# KiCad board CONEPROJ.kicad_pcb
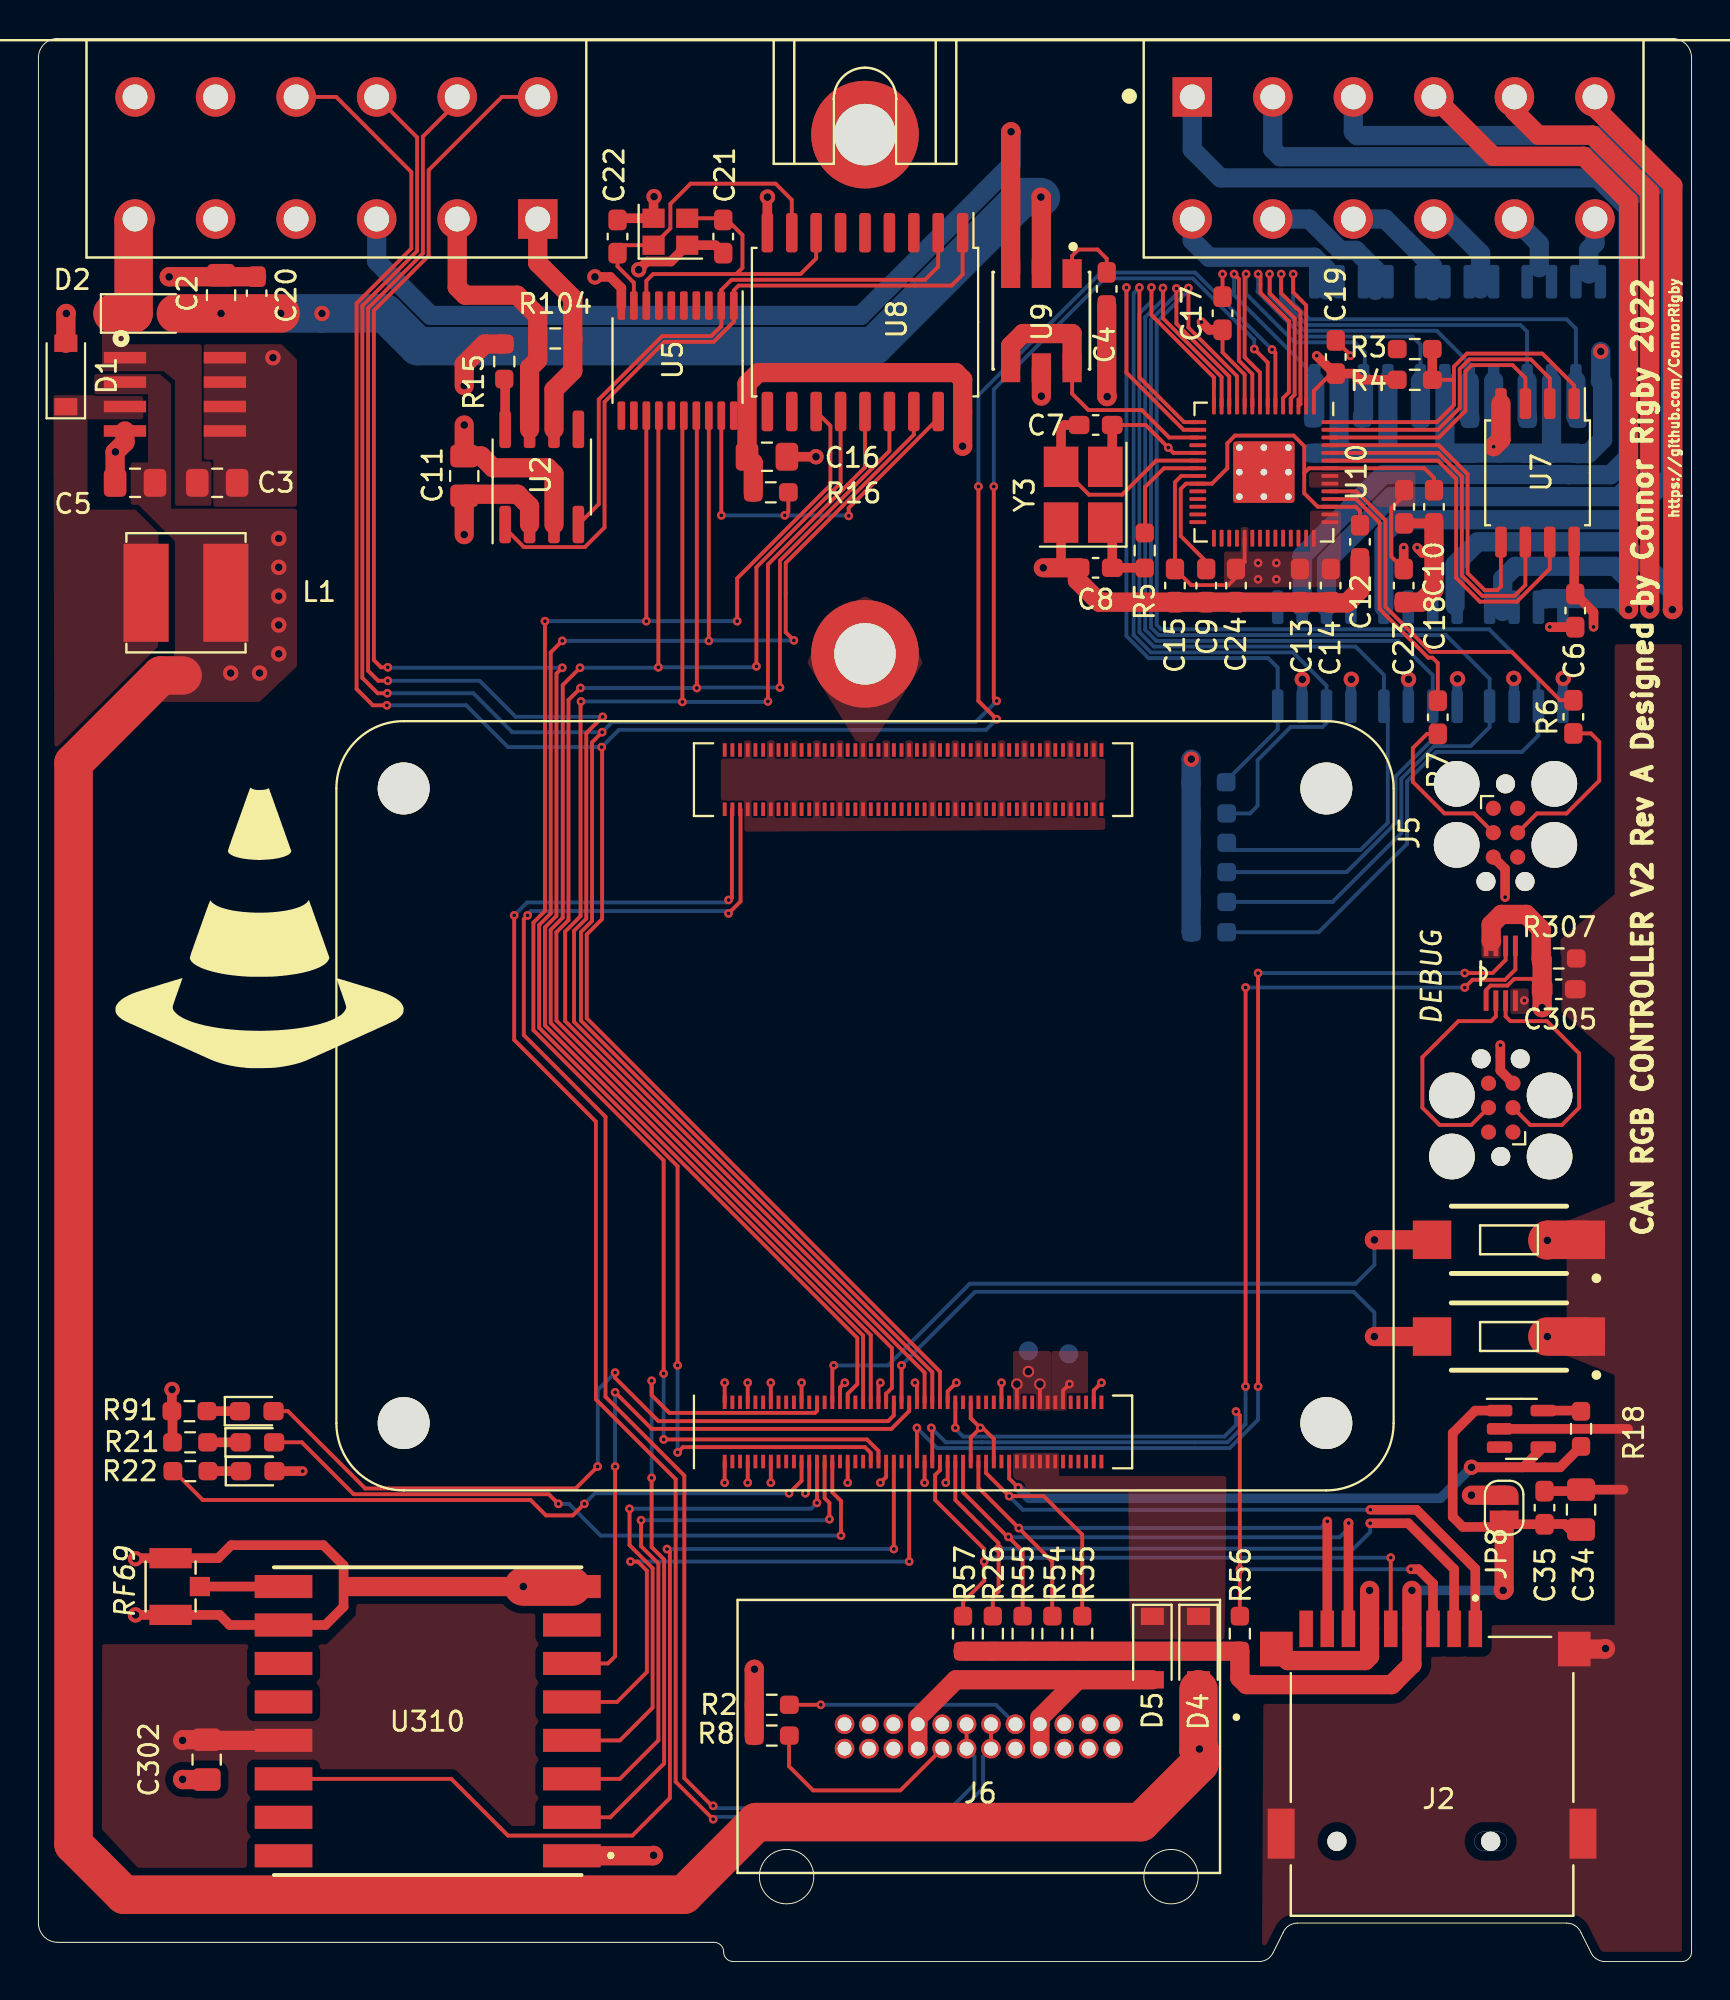
[diagram p0: board, top side]
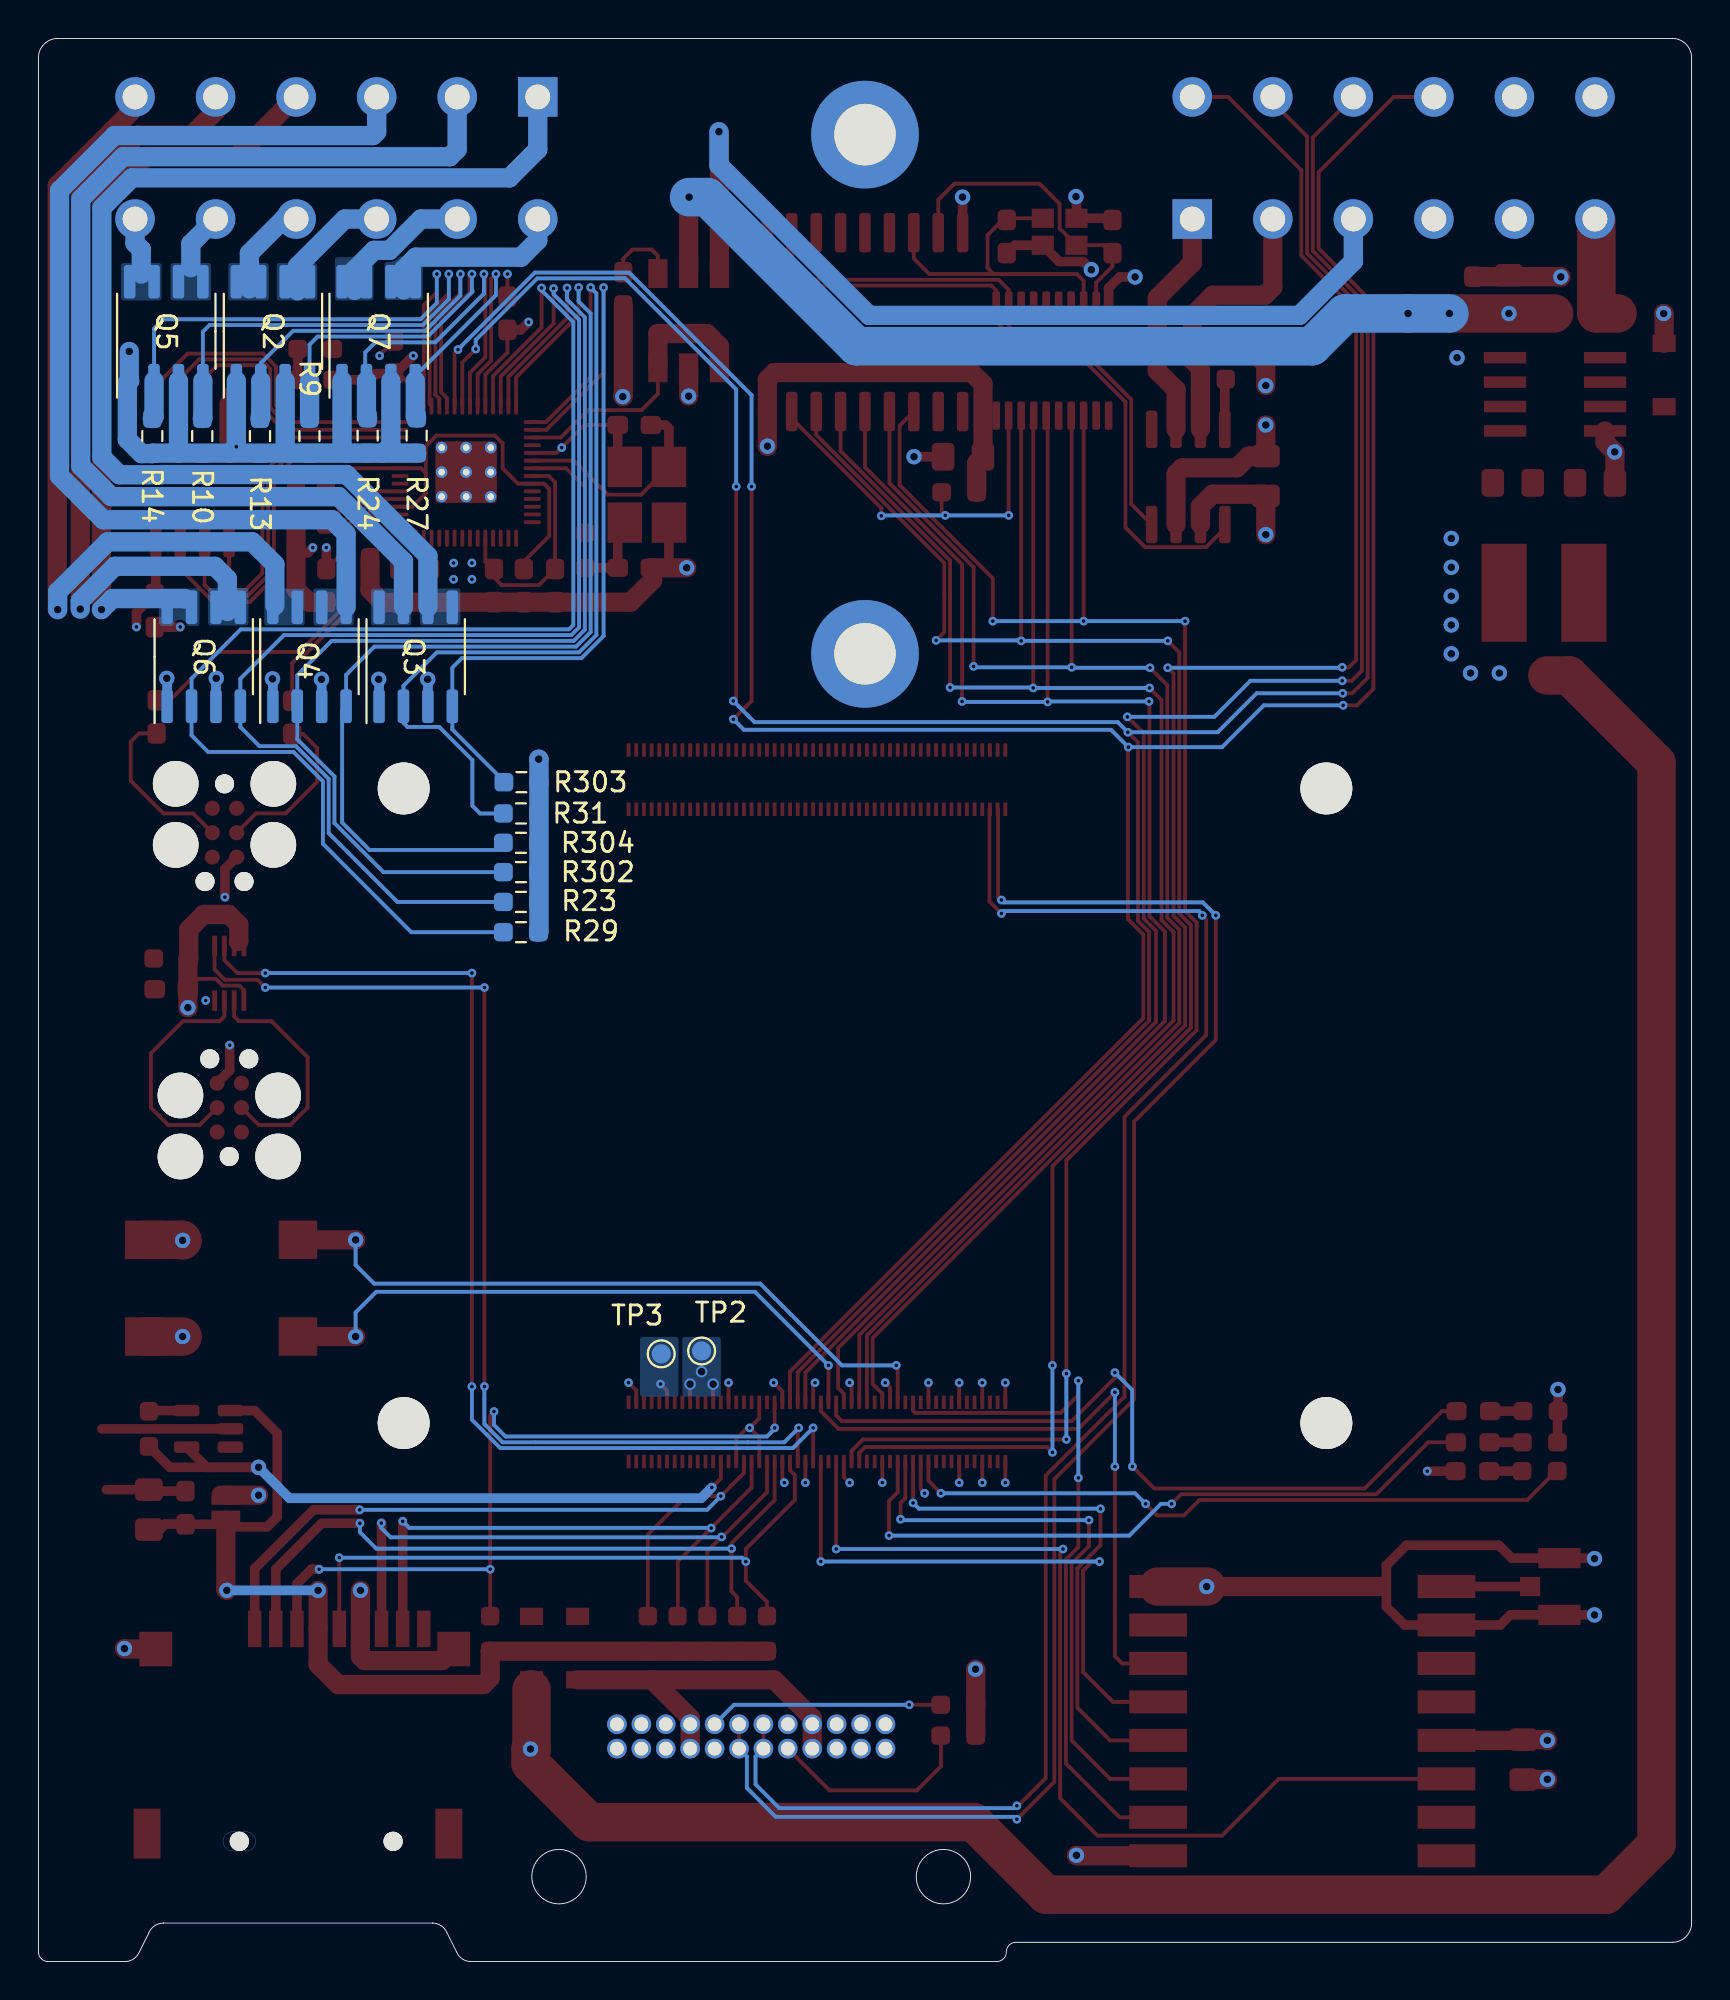
[diagram p1: board, bottom side, seen from below]

Outline 86 x 100 mm; copper layers: Top, In1.Cu (plane), In2.Cu (plane), Bottom. Coordinates in mm from the lower left corner of the outline.
Outline path: circle c38.92,4.41 r1.41 ; circle c58.92,4.41 r1.41 ; 0,99 arc(0.29,99.71) 1,100 85,100 arc(85.71,99.71) 86,99 86,0.5 arc(85.85,0.15) 85.5,0 81.5,0 arc(81.05,0.14) 80.75,0.5 80.25,1.5 arc(79.95,1.86) 79.5,2 65.5,2 arc(65.05,1.86) 64.75,1.5 64.25,0.5 arc(63.95,0.14) 63.5,0 36.15,0 arc(35.79,0.15) 35.65,0.5 arc(35.5,0.85) 35.15,1 1,1 arc(0.29,1.29) 0,2 0,99
Stack: Top 0.035mm / dielectric 0.11mm FR4 er 4.5 / In1.Cu 0.035mm / dielectric 1.2mm FR4 er 4.5 / In2.Cu 0.035mm / dielectric 0.11mm FR4 er 4.5 / Bottom 0.035mm

## Placement (name value [footprint] x y rotation side)
C2  10uF  [C_0805_2012Metric_Pad1.18x1.45mm_HandSolder]  9.5 86.65 90 top
C3  10uF  [C_0805_2012Metric_Pad1.18x1.45mm_HandSolder]  9.3 76.89 0 top
C4  0.1uF  [C_0603_1608Metric_Pad1.08x0.95mm_HandSolder]  55.58 86.97 270 top
C5  10uF  [C_0805_2012Metric_Pad1.18x1.45mm_HandSolder]  5.02 76.89 180 top
C6  1uF  [C_0603_1608Metric_Pad1.08x0.95mm_HandSolder]  79.95 70.25 270 top
C7  10pF  [C_0603_1608Metric_Pad1.08x0.95mm_HandSolder]  55 79.9 0 top
C8  10pF  [C_0603_1608Metric_Pad1.08x0.95mm_HandSolder]  55 72.48 0 top
C9  1uF  [C_0603_1608Metric_Pad1.08x0.95mm_HandSolder]  60.75 71.55 270 top
C10  0.1uF  [C_0603_1608Metric_Pad1.08x0.95mm_HandSolder]  72.6 75.65 270 top
C11  10uF  [C_0805_2012Metric_Pad1.18x1.45mm_HandSolder]  22.15 77.25 270 top
C12  1uF  [C_0603_1608Metric_Pad1.08x0.95mm_HandSolder]  68.75 73.83 270 top
C13  0.1uF  [C_0603_1608Metric_Pad1.08x0.95mm_HandSolder]  65.62 71.55 270 top
C14  0.1uF  [C_0603_1608Metric_Pad1.08x0.95mm_HandSolder]  67.22 71.55 270 top
C15  0.1uF  [C_0603_1608Metric_Pad1.08x0.95mm_HandSolder]  59.12 71.55 270 top
C16  10uF  [C_0805_2012Metric_Pad1.18x1.45mm_HandSolder]  37.9 78.25 0 top
C17  0.1uF  [C_0603_1608Metric_Pad1.08x0.95mm_HandSolder]  61.6 85.71 90 top
C18  0.1uF  [C_0603_1608Metric_Pad1.08x0.95mm_HandSolder]  71.05 75.65 270 top
C19  0.1uF  [C_0603_1608Metric_Pad1.08x0.95mm_HandSolder]  67.49 83.44 90 top
C20  0.1uF  [C_0603_1608Metric_Pad1.08x0.95mm_HandSolder]  11.35 86.75 90 top
C21  22pf  [C_0603_1608Metric_Pad1.08x0.95mm_HandSolder]  35.62 89.7 270 top
C22  22pf  [C_0603_1608Metric_Pad1.08x0.95mm_HandSolder]  30.12 89.7 270 top
C23  0.1uF  [C_0603_1608Metric_Pad1.08x0.95mm_HandSolder]  71.03 71.55 270 top
C24  0.1uF  [C_0603_1608Metric_Pad1.08x0.95mm_HandSolder]  62.3 71.55 270 top
C34  10uF  [C_0805_2012Metric_Pad1.18x1.45mm_HandSolder]  80.25 23.5 90 top
C35  0.1uF  [C_0603_1608Metric_Pad1.08x0.95mm_HandSolder]  78.35 23.6 90 top
C302  10uF  [C_0805_2012Metric_Pad1.18x1.45mm_HandSolder]  8.75 10.5 90 top
C305  0.1uF  [C_0603_1608Metric_Pad1.08x0.95mm_HandSolder]  79.09 50.56 180 top
D1  D_Small  [D_SOD-123]  1.43 82.5 90 top
D2  D_Small  [D_SOD-123]  5.5 85.7 0 top
D4  D_Small  [D_SOD-123]  60.35 16.3 270 top
D5  D_Small  [D_SOD-123]  57.95 16.3 270 top
D301  GRN  [LED_0603_1608Metric_Pad1.05x0.95mm_HandSolder]  11.41 25.5 0 top
D302  RED  [LED_0603_1608Metric_Pad1.05x0.95mm_HandSolder]  11.39 27 0 top
D308  GRN  [LED_0603_1608Metric_Pad1.05x0.95mm_HandSolder]  11.35 28.62 0 top
G***  LOGO  [cone]  11.5 53.75 0 top
H302  MountingHole_Pad  [MountingHole_3.2mm_M3_DIN965_Pad]  43 68 90 top
H304  MountingHole_Pad  [MountingHole_3.2mm_M3_DIN965_Pad]  43 95 90 top
J2  693071020811  [WURTH_693071020811]  72.5 6.25 0 top
J4  DTM1312PA12PBR008  [TE_DTM1312PA12PBR008]  43 95 180 top
J5  TC2030-IDC  [Tag-Connect_TC2030-IDC-FP_2x03_P1.27mm_Vertical]  76.32 58.7 270 top
J6  UC-31PFFP-QS8001  [AMPHENOL_UC-31PFFP-QS8001]  48.92 11.71 0 top
J304  U.FL-R-SMT-1(10)  [HRS_U.FL-R-SMT-1(10)]  6.88 19.5 90 top
J311  TC2030-IDC  [Tag-Connect_TC2030-IDC-FP_2x03_P1.27mm_Vertical]  76.07 44.4 90 top
JP8  SD_PWR  [SolderJumper-2_P1.3mm_Open_RoundedPad1.0x1.5mm]  76.25 23.6 270 top
L1  6.8uH  [L_Bourns_SRN6045TA]  7.68 71.17 0 top
MOD301  SW_SPST  [SW_RS-032G05A3-SMRT]  76.5 37.53 180 top
Module2  ComputeModule4-CM4  [Raspberry-Pi-4-Compute-Module]  67 28 90 top
PAU301  SW_SPST  [SW_RS-032G05A3-SMRT]  76.5 32.5 180 top
Q2  Q_Dual_NMOS_S1G1S2G2D2D2D1D1  [SO-8_3.9x4.9mm_P1.27mm]  73.8 84.78 90 bottom
Q3  Q_Dual_NMOS_S1G1S2G2D2D2D1D1  [SO-8_3.9x4.9mm_P1.27mm]  66.38 67.85 90 bottom
Q4  Q_Dual_NMOS_S1G1S2G2D2D2D1D1  [SO-8_3.9x4.9mm_P1.27mm]  71.9 67.85 90 bottom
Q5  Q_Dual_NMOS_S1G1S2G2D2D2D1D1  [SO-8_3.9x4.9mm_P1.27mm]  79.35 84.78 90 bottom
Q6  Q_Dual_NMOS_S1G1S2G2D2D2D1D1  [SO-8_3.9x4.9mm_P1.27mm]  77.4 67.85 90 bottom
Q7  Q_Dual_NMOS_S1G1S2G2D2D2D1D1  [SO-8_3.9x4.9mm_P1.27mm]  68.3 84.78 90 bottom
R2  R_Small  [R_0603_1608Metric_Pad0.98x0.95mm_HandSolder]  38.15 13.35 180 top
R3  1k  [R_0603_1608Metric_Pad0.98x0.95mm_HandSolder]  71.6 83.85 0 top
R4  10k,DNF  [R_0603_1608Metric_Pad0.98x0.95mm_HandSolder]  71.6 82.25 180 top
R5  1k  [R_0603_1608Metric_Pad0.98x0.95mm_HandSolder]  57.55 73.38 270 top
R6  27.4  [C_0603_1608Metric_Pad1.08x0.95mm_HandSolder]  79.85 64.72 270 top
R7  27.4  [C_0603_1608Metric_Pad1.08x0.95mm_HandSolder]  72.8 64.7 90 top
R8  R_Small  [R_0603_1608Metric_Pad0.98x0.95mm_HandSolder]  38.15 11.75 0 top
R9  100k  [R_0603_1608Metric_Pad0.98x0.95mm_HandSolder]  71.9 79.33 270 bottom
R10  100k  [R_0603_1608Metric_Pad0.98x0.95mm_HandSolder]  77.47 79.33 270 bottom
R13  100k  [R_0603_1608Metric_Pad0.98x0.95mm_HandSolder]  74.47 79.33 270 bottom
R14  100k  [R_0603_1608Metric_Pad0.98x0.95mm_HandSolder]  80.08 79.33 270 bottom
R15  1k  [R_0603_1608Metric_Pad0.98x0.95mm_HandSolder]  24.23 83.2 90 top
R16  10k  [R_0603_1608Metric_Pad0.98x0.95mm_HandSolder]  38.1 76.4 0 top
R18  12K 1%  [R_0603_1608Metric_Pad0.98x0.95mm_HandSolder]  80.25 27.7 90 top
R21  240  [R_0603_1608Metric_Pad0.98x0.95mm_HandSolder]  7.89 27 180 top
R22  240  [R_0603_1608Metric_Pad0.98x0.95mm_HandSolder]  7.91 25.5 180 top
R23  100k  [R_0603_1608Metric_Pad0.98x0.95mm_HandSolder]  60.9 55.1 180 bottom
R24  100k  [R_0603_1608Metric_Pad0.98x0.95mm_HandSolder]  68.88 79.35 270 bottom
R26  10k  [R_0603_1608Metric_Pad0.98x0.95mm_HandSolder]  49.65 17.05 270 top
R27  100k  [R_0603_1608Metric_Pad0.98x0.95mm_HandSolder]  66.33 79.35 270 bottom
R29  100k  [R_0603_1608Metric_Pad0.98x0.95mm_HandSolder]  60.9 53.53 180 bottom
R31  100k  [R_0603_1608Metric_Pad0.98x0.95mm_HandSolder]  60.9 59.7 180 bottom
R35  10k  [R_0603_1608Metric_Pad0.98x0.95mm_HandSolder]  54.3 17.05 270 top
R54  10k  [R_0603_1608Metric_Pad0.98x0.95mm_HandSolder]  52.75 17.05 270 top
R55  10k  [R_0603_1608Metric_Pad0.98x0.95mm_HandSolder]  51.2 17.05 270 top
R56  10k  [R_0603_1608Metric_Pad0.98x0.95mm_HandSolder]  62.5 17.05 270 top
R57  10k  [R_0603_1608Metric_Pad0.98x0.95mm_HandSolder]  48.1 17.05 270 top
R91  240  [R_0603_1608Metric_Pad0.98x0.95mm_HandSolder]  7.86 28.62 180 top
R104  120, DNP  [R_0603_1608Metric_Pad0.98x0.95mm_HandSolder]  26.88 84.4 180 top
R302  100k  [R_0603_1608Metric_Pad0.98x0.95mm_HandSolder]  60.9 56.65 180 bottom
R303  100k  [R_0603_1608Metric_Pad0.98x0.95mm_HandSolder]  60.88 61.33 180 bottom
R304  100k  [R_0603_1608Metric_Pad0.98x0.95mm_HandSolder]  60.9 58.17 180 bottom
R307  10k  [R_0603_1608Metric_Pad0.98x0.95mm_HandSolder]  79.09 52.16 0 top
TP2  3v3  [TestPoint_Pad_D1.0mm]  51.5 31.75 180 bottom
TP3  1v8  [TestPoint_Pad_D1.0mm]  53.6 31.6 180 bottom
U2  SN65HVD230  [SOIC-8_3.9x4.9mm_P1.27mm]  26.19 77.2 90 top
U5  MCP2515-xST  [TSSOP-20_4.4x6.5mm_P0.65mm]  33.25 83.25 270 top
U6  RT9742GGJ5  [SOT-23-5]  77.15 27.7 0 top
U7  W25Q128JVS  [SOIC-8_5.23x5.23mm_P1.27mm]  77.99 77.41 270 top
U8  MCP2515-xSO  [SOIC-18W_7.5x11.6mm_P1.27mm]  43 85.25 270 top
U9  WS2815B  [worldsemi-WS2815B-MFG]  52.17 85.33 270 top
U10  RP2040  [RP2040-QFN-56]  63.75 77.45 270 top
U304  AP1509  [SO08]  7.1 81.5 270 top
U310  RFM69HCW  [XCVR_RFM69HW]  20.25 12.5 180 top
U311  SN74LVC2G126DCUR  [SOP50P310X90-8N]  76.07 51.39 90 top
Y2  16mhz  [Crystal_SMD_2520-4Pin_2.5x2.0mm]  32.88 89.95 0 top
Y3  12mhz  [Crystal_SMD_3225-4Pin_3.2x2.5mm_HandSoldering]  54.35 76.28 90 top

## Library data of the parts
C2 = -: DESCRIPTION: CAP CER 10UF 16V X5R 0805; MPN: CL21A106KOQNNNE; MPN2: TMK212BBJ106KG-T; Manufacturer: Samsung Electro-Mechanics; Manufacturer2: Taiyo Yuden
C3 C5 C34 = -: DESCRIPTION: CAP CER 10UF 16V X5R 0805; MPN: CL21A106KOQNNNE
C4 C10 C13-C15 C17-C19 C23 C24 C35 C305 = -: DESCRIPTION: CAP CER 0.1UF 50V X7R 0603; MPN: C0603C104M5RAC7867
C6 C9 C12 = -: DESCRIPTION: CAP CER 1UF 50V X7R 0603
C7 C8 = -: DESCRIPTION: CAP CER 10PF 50V X7R 0603
C11 C16 C302 = -: DESCRIPTION: CAP CER 10UF 16V X5R 0805; MPN: CL21A106KOQNNNE; MPN2: CC0402KRX5R8BB104; Manufacturer: Murata Electronics; Manufacturer2: Yageo
C20 = -: DESCRIPTION: CAP CER 0.1UF 50V X7R 0603; MPN: C0603C104M5RAC7867; MPN2: CC0402KRX5R8BB104; Manufacturer: Murata Electronics; Manufacturer2: Yageo
C21 C22 = -: DESCRIPTION: CAP CER 22PF 100V X7R 0603; MPN: C0603C220K1RACAUTO
D1 D2 D4 D5 = -: DESCRIPTION: DIODE SCHOTTKY 30V 1.5A SOD123F; MPN: PMEG3015EH,115
D301 D308 = -: DESCRIPTION: LED GREEN DIFFUSED 0603 SMD; MPN: LT Q39E-Q1OO-25-1
D302 = -: DESCRIPTION: LED RED CLEAR 0603 SMD; MPN: IN-S63ATR
J2 = -: DESCRIPTION: SMT MICRO SD CARD CONNECTOR, PUS; MANUFACTURER: WURTH ELEKTRONIK; MAXIMUM_PACKAGE_HEIGHT: 2.05mm; PARTREV: 001.003; STANDARD: Manufacturer Recommendations
J4 = -: EU_RoHS_Compliance: Compliant
J5 J311 = -: MPN2: DNP; Manufacturer: DNP; Manufacturer2: DNP
J6 = -: MANUFACTURER: Amphenol; MAXIMUM_PACKAGE_HEIGHT: 27mm; PARTREV: C; STANDARD: Manufacturer Recommendations
J304 = -: DESCRIPTION: U.FL Series 6 Ghz 50 Ohm Ultra-small SMT Coaxial Cable Receptacle; MANUFACTURER: Hirose; MP: U.FL-R-SMT-1_10_; PACKAGE: None; PRICE: 0.71 USD; STANDARD: Manufacturer Recommendation
L1 = -: DESCRIPTION: FIXED IND 6.3UH 3A 46.8 MOHM SMD; MPN: NRS6045T6R3MMGK
MOD301 PAU301 = -: DESCRIPTION: SWITCH TACTILE SPST-NO 0.05A 12V; MPN: RS-032G05A3-SM RT
Module2 = -: Field4: Hirose; Field5: 2x DF40C-100DS-0.4V
Q2-Q7 = -: DESCRIPTION: MOSFET N-CH 25V 8A 8SO; MPN: SI4778DY-T1-GE3
R3 R5 R15 = -: DESCRIPTION: RES 1K OHM 5% 1/10W 0603; MPN: RMCF0603JT1K00
R4 R16 R26 R35 R54-R57 R307 = -: DESCRIPTION: RES 10K OHM 5% 1/10W 0603; MPN: RMCF0603JT10K0
R6 R7 = -: DESCRIPTION: RES 27.4 OHM 5% 1/10W 0603
R9 R10 R13 R14 R23 R24 R27 R29 R31 R302-R304 = -: DESCRIPTION: RES 100K OHM 5% 1/10W 0603; MPN: RC0603JR-10100KL; MPN2: RMCF0402FT100K; Manufacturer: Yageo; Manufacturer2: Stackpole Electronics Inc
R21 R22 R91 = -: DESCRIPTION: RES 240 OHM 5% 1/10W 0603; MPN: RC0603JR-07240RL
U2 = -: MPN: SN65HVD230D
U5 = -: MPN: MCP2515-I/ST
U6 = -: DESCRIPTION: IC PWR SWTCH N-CHAN 1:1 TSOT23-5
U8 = -: MPN: MCP2515-I/SO
U9 = -: DESCRIPTION: 12mA RGB SMD,5.4x5x1.65mm Light Emitting Diodes (LED) ROHS; automotive: No; category: IC; colour: Blue, Green, Red; device class L1: Optoelectronics; device class L2: LEDs; device class L3: unset; height: 1.7mm; lead free: Unknown; led orientation: Top View; library id: e667c779cab89d9d; manufacturer: worldsemi; max supply voltage: 13.5V; min supply voltage: 9.5V; output current: 2.1mA; package: SMD5050; rohs: Unknown; standoff height: 0.13mm; temperature range high: +85°C; temperature range low: -25°C; wavelength: 470/520/622.5nm
U304 = -: DESCRIPTION: IC REG BUCK 5V 2A 8SOP; MPN: AP1509-50SG-13
U310 = -: DESCRIPTION: RX TXRX MODULE ISM < 1GHZ SMD; MANUFACTURER: SparkFun Electronics; MPN: COM-13909
U311 = -: DESCRIPTION: IC BUFFER NON-INVERT 5.5V 8VSSOP; Manufacturer: ON Semiconductor
Y2 = -: DESCRIPTION: CRYSTAL 16.0000MHZ 22PF SMD; MPN: SXT22422AA27-16.000MT
Y3 = -: DESCRIPTION: CRYSTAL 12.0000MHZ 8PF SMD; MPN: NX3225SA-12.000M-STD-CSR-1

## Footprints (pads in the part's own frame, mm; a bottom-side part is the same pattern mirrored in y, then rotated)
AMPHENOL_UC-31PFFP-QS8001
  round 1.02 hole 0.72: A1(6.985,0.635) A2(5.715,0.635) A3(4.445,0.635) A4(3.175,0.635) A5(1.905,0.635) A6(0.635,0.635) A7(-0.635,0.635) A8(-1.905,0.635) A9(-3.175,0.635) A10(-4.445,0.635) A11(-5.715,0.635) A12(-6.985,0.635) B1(-6.985,-0.635) B2(-5.715,-0.635) B3(-4.445,-0.635) B4(-3.175,-0.635) B5(-1.905,-0.635) B6(-0.635,-0.635) B7(0.635,-0.635) B8(1.905,-0.635) B9(3.175,-0.635) B10(4.445,-0.635) B11(5.715,-0.635) B12(6.985,-0.635)
C_0603_1608Metric_Pad1.08x0.95mm_HandSolder
  rrect 1.075x0.95 smd: 1(-0.863,0) 2(0.863,0)
C_0805_2012Metric_Pad1.18x1.45mm_HandSolder
  rrect 1.175x1.45 smd: 1(-1.038,0) 2(1.038,0)
Crystal_SMD_2520-4Pin_2.5x2.0mm
  rect 1.15x1 smd: 1(-0.875,-0.7) 2(0.875,-0.7) 3(0.875,0.7) 4(-0.875,0.7)
Crystal_SMD_3225-4Pin_3.2x2.5mm_HandSoldering
  rect 2.1x1.8 smd: 1(-1.45,-1.15) 2(1.45,-1.15) 3(1.45,1.15) 4(-1.45,1.15)
D_SOD-123
  rect 0.9x1.2 smd: 1(-1.65,0) 2(1.65,0)
HRS_U.FL-R-SMT-1(10)
  rect 1.05x2.2 smd: 1(-1.475,0) 3(1.475,0)
  rect 1x1.05 smd: 2(0,-1.525)
L_Bourns_SRN6045TA
  rect 2.35x5.1 smd: 1(-2.075,0) 2(2.075,0)
LED_0603_1608Metric_Pad1.05x0.95mm_HandSolder
  rrect 1.05x0.95 smd: 1(-0.875,0) 2(0.875,0)
MountingHole_3.2mm_M3_DIN965_Pad
  round 5.6 hole 3.2: 1(0,0)
R_0603_1608Metric_Pad0.98x0.95mm_HandSolder
  rrect 0.975x0.95 smd: 1(-0.912,0) 2(0.912,0)
Raspberry-Pi-4-Compute-Module
  round 2.7 hole 2.7 unplated: (0,48) (0,0) (33,48) (33,0)
  rect 0.7x0.2 smd: 1(-2,31.3) 2(1.08,31.3) 3(-2,30.9) 4(1.08,30.9) 5(-2,30.5) 6(1.08,30.5) 7(-2,30.1) 8(1.08,30.1) 9(-2,29.7) 10(1.08,29.7) 11(-2,29.3) 12(1.08,29.3) 13(-2,28.9) 14(1.08,28.9) 15(-2,28.5) 16(1.08,28.5) 17(-2,28.1) 18(1.08,28.1) 19(-2,27.7) 20(1.08,27.7) 21(-2,27.3) 22(1.08,27.3) 23(-2,26.9) 24(1.08,26.9) 25(-2,26.5) 26(1.08,26.5) 27(-2,26.1) 28(1.08,26.1) 29(-2,25.7) 30(1.08,25.7) 31(-2,25.3) 32(1.08,25.3) 33(-2,24.9) 34(1.08,24.9) 35(-2,24.5) 36(1.08,24.5) 37(-2,24.1) 38(1.08,24.1) 39(-2,23.7) 40(1.08,23.7) 41(-2,23.3) 42(1.08,23.3) 43(-2,22.9) 44(1.08,22.9) 45(-2,22.5) 46(1.08,22.5) 47(-2,22.1) 48(1.08,22.1) 49(-2,21.7) 50(1.08,21.7) 51(-2,21.3) 52(1.08,21.3) 53(-2,20.9) 54(1.08,20.9) 55(-2,20.5) 56(1.08,20.5) 57(-2,20.1) 58(1.08,20.1) 59(-2,19.7) 60(1.08,19.7) 61(-2,19.3) 62(1.08,19.3) 63(-2,18.9) 64(1.08,18.9) 65(-2,18.5) 66(1.08,18.5) 67(-2,18.1) 68(1.08,18.1) 69(-2,17.7) 70(1.08,17.7) 71(-2,17.3) 72(1.08,17.3) 73(-2,16.9) 74(1.08,16.9) 75(-2,16.5) 76(1.08,16.5) 77(-2,16.1) 78(1.08,16.1) 79(-2,15.7) 80(1.08,15.7) 81(-2,15.3) 82(1.08,15.3) 83(-2,14.9) 84(1.08,14.9) 85(-2,14.5) 86(1.08,14.5) 87(-2,14.1) 88(1.08,14.1) 89(-2,13.7) 90(1.08,13.7) 91(-2,13.3) 92(1.08,13.3) 93(-2,12.9) 94(1.08,12.9) 95(-2,12.5) 96(1.08,12.5) 97(-2,12.1) 98(1.08,12.1) 99(-2,11.7) 100(1.08,11.7) 101(31.92,31.3) 102(35,31.3) 103(31.92,30.9) 104(35,30.9) 105(31.92,30.5) 106(35,30.5) 107(31.92,30.1) 108(35,30.1) 109(31.92,29.7) 110(35,29.7) 111(31.92,29.3) 112(35,29.3) 113(31.92,28.9) 114(35,28.9) 115(31.92,28.5) 116(35,28.5) 117(31.92,28.1) 118(35,28.1) 119(31.92,27.7) 120(35,27.7) 121(31.92,27.3) 122(35,27.3) 123(31.92,26.9) 124(35,26.9) 125(31.92,26.5) 126(35,26.5) 127(31.92,26.1) 128(35,26.1) 129(31.92,25.7) 130(35,25.7) 131(31.92,25.3) 132(35,25.3) 133(31.92,24.9) 134(35,24.9) 135(31.92,24.5) 136(35,24.5) 137(31.92,24.1) 138(35,24.1) 139(31.92,23.7) 140(35,23.7) 141(31.92,23.3) 142(35,23.3) 143(31.92,22.9) 144(35,22.9) 145(31.92,22.5) 146(35,22.5) 147(31.92,22.1) 148(35,22.1) 149(31.92,21.7) 150(35,21.7) 151(31.92,21.3) 152(35,21.3) 153(31.92,20.9) 154(35,20.9) 155(31.92,20.5) 156(35,20.5) 157(31.92,20.1) 158(35,20.1) 159(31.92,19.7) 160(35,19.7) 161(31.92,19.3) 162(35,19.3) 163(31.92,18.9) 164(35,18.9) 165(31.92,18.5) 166(35,18.5) 167(31.92,18.1) 168(35,18.1) 169(31.92,17.7) 170(35,17.7) 171(31.92,17.3) 172(35,17.3) 173(31.92,16.9) 174(35,16.9) 175(31.92,16.5) 176(35,16.5) 177(31.92,16.1) 178(35,16.1) 179(31.92,15.7) 180(35,15.7) 181(31.92,15.3) 182(35,15.3) 183(31.92,14.9) 184(35,14.9) 185(31.92,14.5) 186(35,14.5) 187(31.92,14.1) 188(35,14.1) 189(31.92,13.7) 190(35,13.7) 191(31.92,13.3) 192(35,13.3) 193(31.92,12.9) 194(35,12.9) 195(31.92,12.5) 196(35,12.5) 197(31.92,12.1) 198(35,12.1) 199(31.92,11.7) 200(35,11.7)
RP2040-QFN-56
  rrect 1.084x1.084 smd: (-0.637,0.637) (-0.637,-0.637) (0.637,0.637) (0.637,-0.637)
  rrect 0.875x0.2 smd: 1(-3.438,2.6) 2(-3.438,2.2) 3(-3.438,1.8) 4(-3.438,1.4) 5(-3.438,1) 6(-3.438,0.6) 7(-3.438,0.2) 8(-3.438,-0.2) 9(-3.438,-0.6) 10(-3.438,-1) 11(-3.438,-1.4) 12(-3.438,-1.8) 13(-3.438,-2.2) 14(-3.438,-2.6) 29(3.438,-2.6) 30(3.438,-2.2) 31(3.438,-1.8) 32(3.438,-1.4) 33(3.438,-1) 34(3.438,-0.6) 35(3.438,-0.2) 36(3.438,0.2) 37(3.438,0.6) 38(3.438,1) 39(3.438,1.4) 40(3.438,1.8) 41(3.438,2.2) 42(3.438,2.6)
  rrect 0.2x0.875 smd: 15(-2.6,-3.438) 16(-2.2,-3.438) 17(-1.8,-3.438) 18(-1.4,-3.438) 19(-1,-3.438) 20(-0.6,-3.438) 21(-0.2,-3.438) 22(0.2,-3.438) 23(0.6,-3.438) 24(1,-3.438) 25(1.4,-3.438) 26(1.8,-3.438) 27(2.2,-3.438) 28(2.6,-3.438) 43(2.6,3.438) 44(2.2,3.438) 45(1.8,3.438) 46(1.4,3.438) 47(1,3.438) 48(0.6,3.438) 49(0.2,3.438) 50(-0.2,3.438) 51(-0.6,3.438) 52(-1,3.438) 53(-1.4,3.438) 54(-1.8,3.438) 55(-2.2,3.438) 56(-2.6,3.438)
  round 0.6 hole 0.35: 57(-1.275,1.275) 57(-1.275,0) 57(-1.275,-1.275) 57(0,1.275) 57(0,0) 57(0,-1.275) 57(1.275,1.275) 57(1.275,0) 57(1.275,-1.275)
  rrect 3.2x3.2 smd: 57(0,0)
SO08
  rect 0.6x2.2 smd: 1(-1.905,-2.6) 2(-0.635,-2.6) 3(0.635,-2.6) 4(1.905,-2.6) 5(1.905,2.6) 6(0.635,2.6) 7(-0.635,2.6) 8(-1.905,2.6)
SO-8_3.9x4.9mm_P1.27mm
  rrect 1.75x0.6 smd: 1(-2.575,1.905) 2(-2.575,0.635) 3(-2.575,-0.635) 4(-2.575,-1.905) 5(2.575,-1.905) 6(2.575,-0.635) 7(2.575,0.635) 8(2.575,1.905)
SOIC-8_3.9x4.9mm_P1.27mm
  rrect 1.95x0.6 smd: 1(-2.475,1.905) 2(-2.475,0.635) 3(-2.475,-0.635) 4(-2.475,-1.905) 5(2.475,-1.905) 6(2.475,-0.635) 7(2.475,0.635) 8(2.475,1.905)
SOIC-8_5.23x5.23mm_P1.27mm
  rrect 1.6x0.6 smd: 1(-3.6,1.905) 2(-3.6,0.635) 3(-3.6,-0.635) 4(-3.6,-1.905) 5(3.6,-1.905) 6(3.6,-0.635) 7(3.6,0.635) 8(3.6,1.905)
SOIC-18W_7.5x11.6mm_P1.27mm
  rrect 2.05x0.6 smd: 1(-4.65,5.08) 2(-4.65,3.81) 3(-4.65,2.54) 4(-4.65,1.27) 5(-4.65,0) 6(-4.65,-1.27) 7(-4.65,-2.54) 8(-4.65,-3.81) 9(-4.65,-5.08) 10(4.65,-5.08) 11(4.65,-3.81) 12(4.65,-2.54) 13(4.65,-1.27) 14(4.65,0) 15(4.65,1.27) 16(4.65,2.54) 17(4.65,3.81) 18(4.65,5.08)
SolderJumper-2_P1.3mm_Open_RoundedPad1.0x1.5mm
  custom 1x1.5 smd: 1(-0.65,0) 2(0.65,0)
SOP50P310X90-8N
  rect 1.067x0.254 smd: 1(-1.422,0.762) 2(-1.422,0.254) 3(-1.422,-0.254) 4(-1.422,-0.762) 5(1.422,-0.762) 6(1.422,-0.254) 7(1.422,0.254) 8(1.422,0.762)
SOT-23-5
  rrect 1.325x0.6 smd: 1(-1.137,0.95) 2(-1.137,0) 3(-1.137,-0.95) 4(1.137,-0.95) 5(1.137,0.95)
SW_RS-032G05A3-SMRT
  rect 2x2 smd: 1(-4,0) 2(4,0)
Tag-Connect_TC2030-IDC-FP_2x03_P1.27mm_Vertical
  round 2.375 hole 2.375 unplated: (-2.54,2.54) (-2.54,-2.54) (0.635,2.54) (0.635,-2.54)
  round 0.991 hole 0.991 unplated: (-2.54,0) (2.54,1.016) (2.54,-1.016)
  round 0.787 smd: 1(-1.27,-0.635) 2(-1.27,0.635) 3(0,-0.635) 4(0,0.635) 5(1.27,-0.635) 6(1.27,0.635)